# Altium PCB PCB_CAR.PcbDoc (part 2 of 3) (continued)
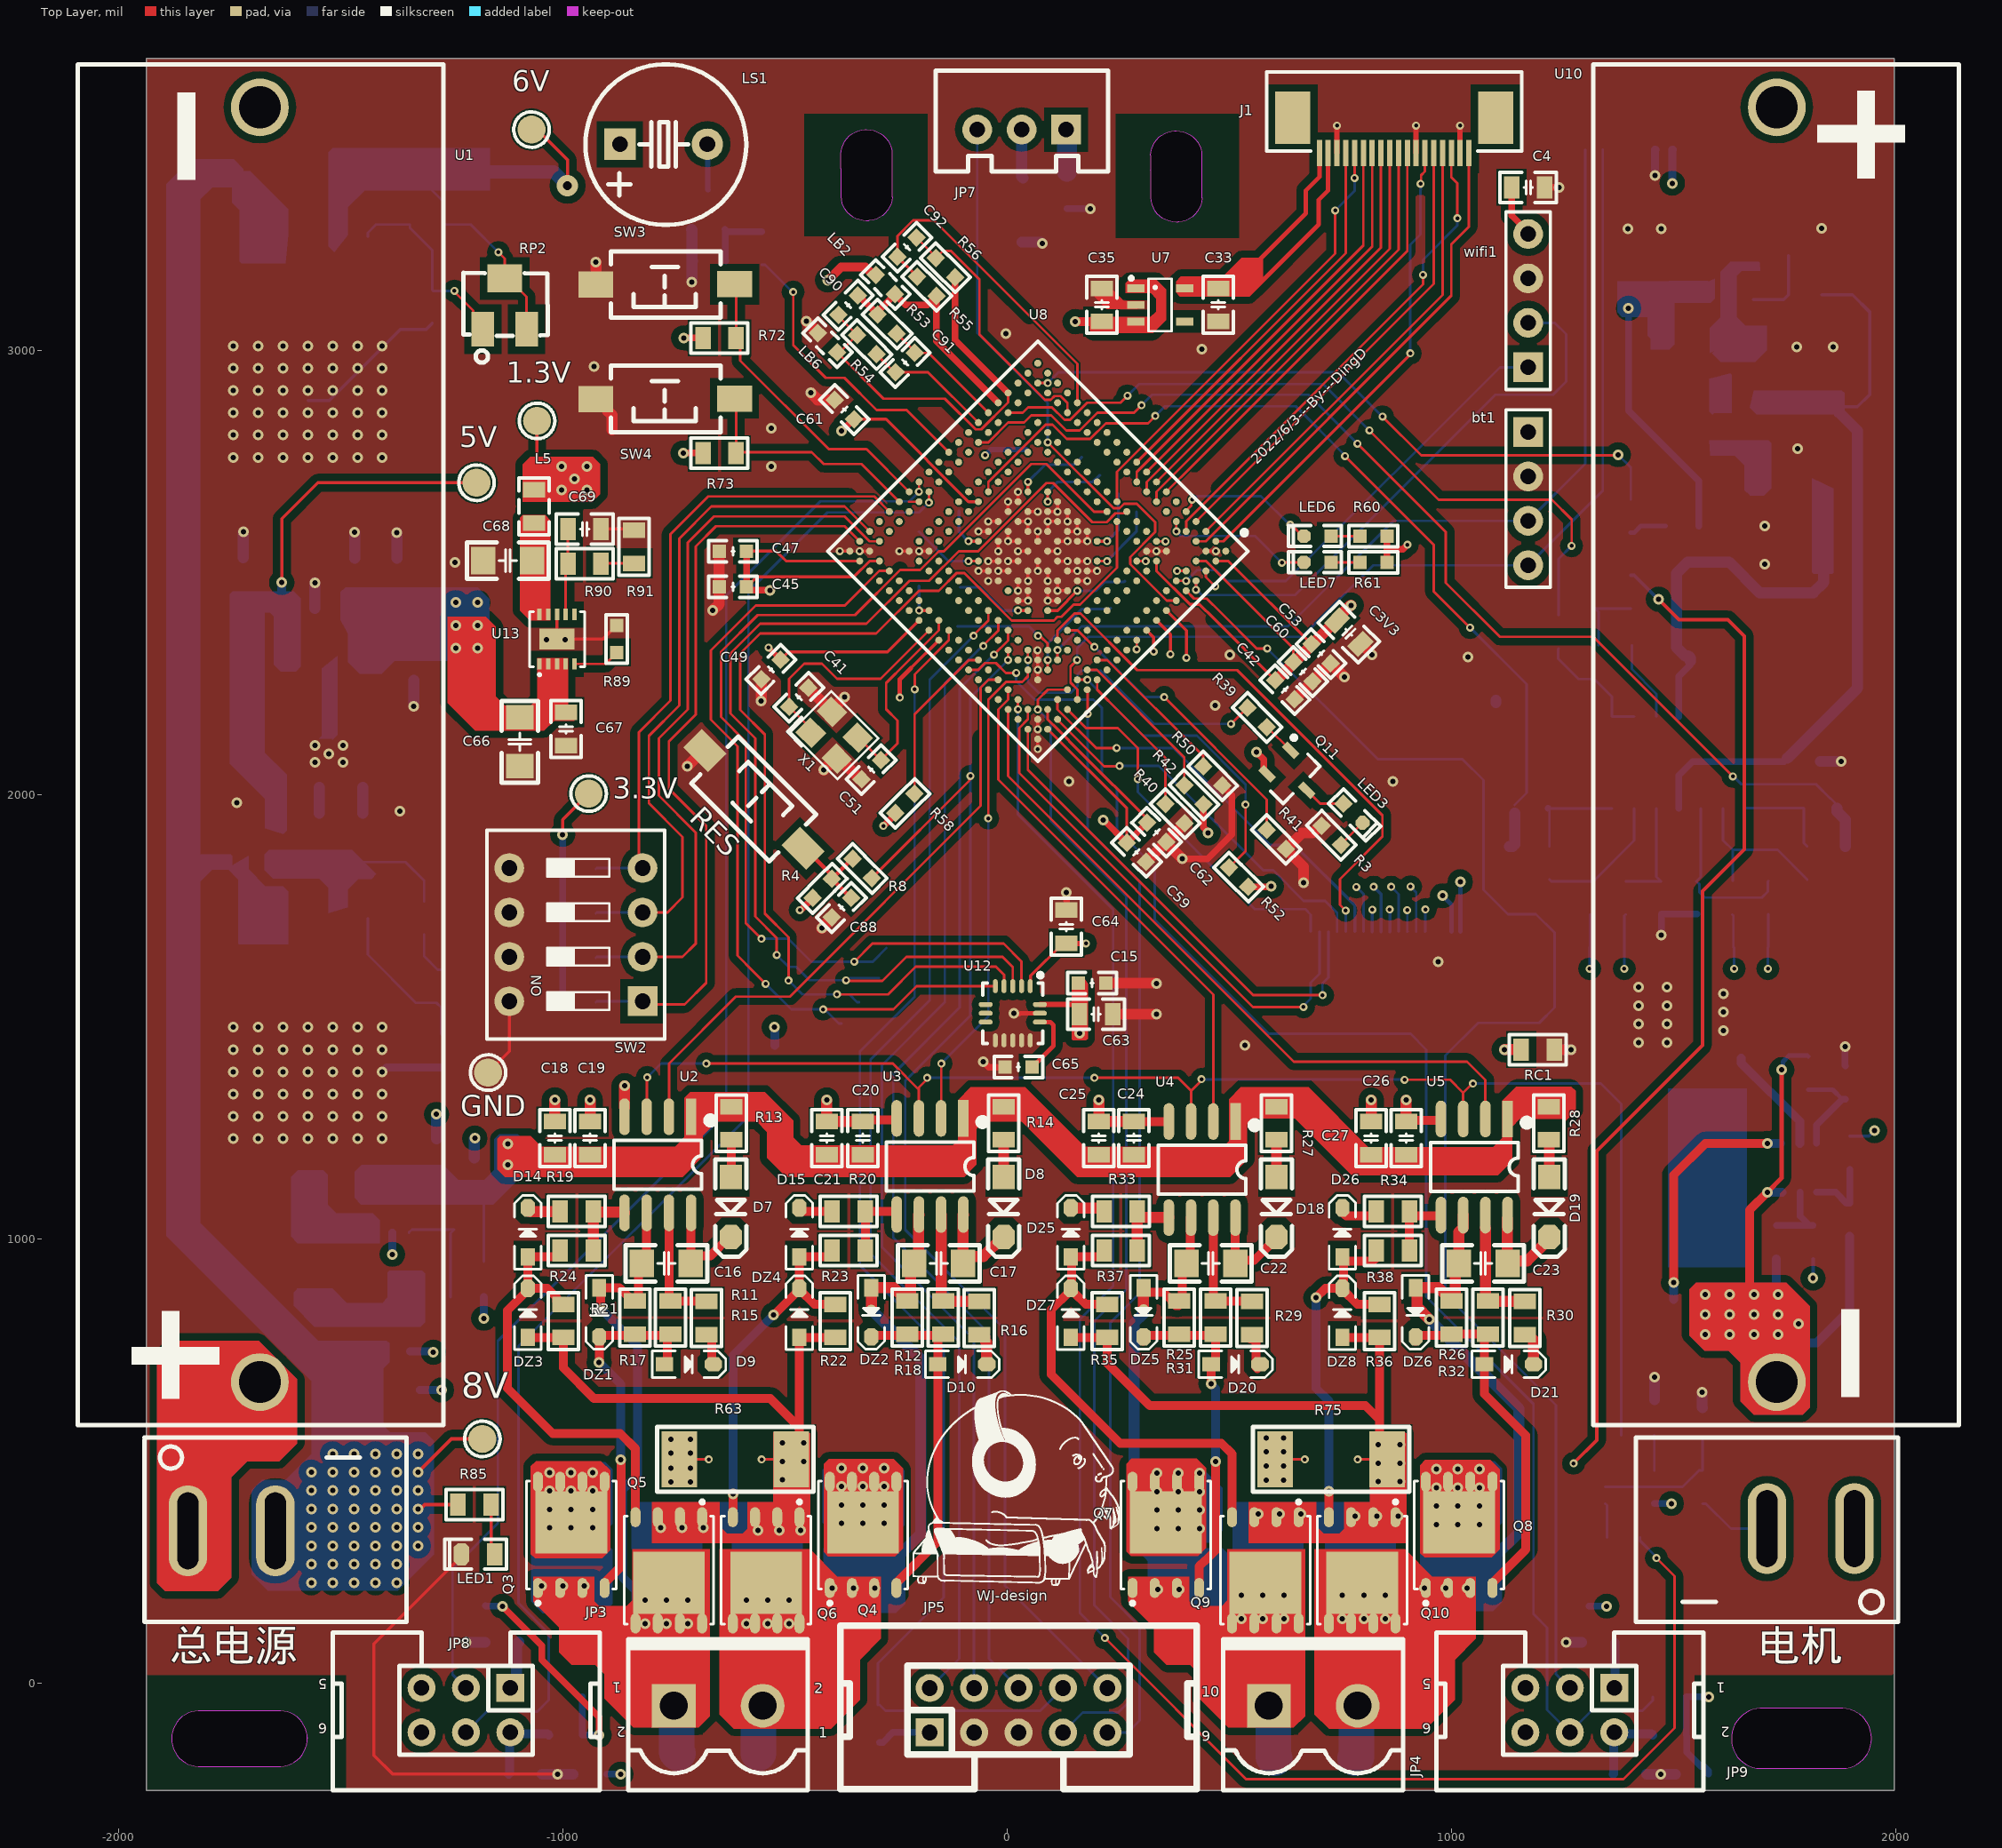
[diagram p0: Top Layer view]
## Nets (pads, with @x,y where several pads share a name; then routed paths per layer and width w, separated by ;. In a path a pad name is that pad's centre, name@x,y a point inside that pad or via, vN(x,y) a via of type N, cw(c..) or ccw(c..) an arc to the next point about the centre after c; other vN are vias at no path point) (continued)
NetC76_2: C76.2 JP8.2 LB3.1 | length 185
  Bottom Layer w20: C76.2@-1122.86,-205.13 -1120.93,-203.2 -1120.93,-112.76 JP8.2@-1119,-110.83 -1116,-113.83 -1035.4,-113.83 LB3.1@-1032.4,-116.82
NetC85_2: C85.2 JP9.2 LB5.1 | length 184.9
  Bottom Layer w20: C85.2@1363.69,-205.13 1364.84,-203.98 1364.84,-111.99 JP9.2@1366,-110.83 1369,-113.83 1450.15,-113.83 LB5.1@1453.14,-116.82
NetC88_2: C88.2 R4.1 R8.1 RES.2 | length 233
  Top Layer w10: RES.2@-465.23,1888.66 -395.18,1818.61 R4.1@-395.18,1811.05 ; C88.2@-352.05,1767.92 R4.1@-395.18,1811.05 ; R8.1@-348.44,1855.97 -350.25,1855.97 R4.1@-395.18,1811.05
NetD7_1: D7.1 R13.2 | length 84.1
  Top Layer w20: D7.1@-622.29,1139.37 -622.08,1139.58 -622.08,1223.05 R13.2@-621.88,1223.26
NetD8_1: D8.1 R14.2 | length 83.9
  Top Layer w24: D8.1@-8.2,1139.37 R14.2@-8.22,1223.23
NetD9_1: D9.1 DZ1.2 Q3.4 R11.2 R17.2 | length 821.7
  Top Layer w20: v1(-919.3,721.89) -919.15,722.03 -919.15,779.73 DZ1.2@-919,779.88 -916.14,782.74 -769.95,782.74 -765.31,778.1 -765.31,723.75 -771.06,718 D9.1@-772.12,718 ; Q3.4@-907,214.25 -907,225.54 -870.12,262.43 -870.12,501.91 v1(-870.85,502.64)
  Bottom Layer w20: v1(-919.3,721.89) -870.85,673.44 v1(-870.85,502.64)
NetD9_2: D9.2 R15.2 | length 76.3
  Top Layer w20: R15.2@-678,784.6 -672.77,784.6 -665.27,777.1 -665.27,721.39 D9.2@-661.88,718
NetD10_1: D10.1 DZ2.2 Q4.4 R12.2 R18.2 | length 772.8
  Top Layer w20: DZ2.2@-306.33,779.88 -303.47,782.74 R12.2@-152.14,782.74 ; Q4.4@-250,214.25 -250,225.54 -156.78,318.76 D10.1@-156.78,718 -156.78,778.1 R12.2@-152.14,782.74 ; R12.2@-144.95,785.6 -149.28,785.6 R12.2@-152.14,782.74
NetD10_2: D10.2 R16.2 | length 78.2
  Top Layer w25: R16.2@-63.9,784.6 -56.4,784.6 -51.4,779.6 -51.4,772.1 -46.55,767.25 D10.2@-46.55,718
NetD14_1: D14.1 DZ3.2 Q5.4 R21.2 R24.2 | length 995.7
  Top Layer w20: R24.2@-1007,974 -1007,967.34 -1014.5,959.84 D14.1@-1079.7,959.84 DZ3.2@-1079.7,889.12 ; R21.2@-1000,852.9 -1007.5,852.9 -1015,860.4 -1015,867.9 -1036.22,889.12 DZ3.2@-1079.7,889.12 ; Q5.4@-837.23,373.68 -837.23,527.73 -871.61,562.11 -1023.81,562.11 -1126,664.3 -1126,838.88 -1079.7,885.18 DZ3.2@-1079.7,889.12
NetD14_2: D14.2 R19.2 | length 78
  Top Layer w25: D14.2@-1079.7,1070.07 -1079.7,1066.69 -1075.01,1062 R19.2@-1007,1062
NetD15_1: D15.1 DZ4.2 Q6.4 R22.2 R23.2 | length 827.3
  Top Layer w20: Q6.4@-618.23,373.68 -618,373.9 -618,425.78 v1(-617.78,426) ; v1(-526.78,828.87) -525.78,828.87 -468.46,886.18 D15.1@-468.46,959.84 -402.17,959.84 -394.67,967.34 R23.2@-394.67,974 ; DZ4.2@-468.46,886.66 -434.7,852.9 R22.2@-387.53,852.9
  Bottom Layer w20: v1(-617.78,426) -617.78,737.86 v1(-526.78,828.87)
NetD15_2: D15.2 R20.2 | length 78.3
  Top Layer w20: D15.2@-468.46,1070.07 -468.46,1068.15 -462.31,1062 R20.2@-394.67,1062
NetD18_1: D18.1 R27.2 | length 84.1
  Top Layer w24: R27.2@605.37,1223.26 605.64,1223 605.64,1139.63 D18.1@605.9,1139.37
NetD19_1: D19.1 R28.2 | length 84.3
  Top Layer w24: R28.2@1219,1223.26 1219.5,1222.76 1219.5,1139.87 D19.1@1220,1139.37
NetD20_1: D20.1 DZ5.2 Q7.4 R25.2 R31.2 | length 764.6
  Top Layer w20: DZ5.2@305.49,769.82 DZ5.2@308.5,772.83 ; DZ5.2@306.33,779.88 309.19,782.74 465.74,782.74 R25.2@468.6,785.6 468.6,724.12 458.55,714.06 v1(458.55,674.26) ; Q7.4@431.66,214.25 431.66,263.4 443.38,275.12 444.61,275.12 468.62,299.13 v1(468.62,499.07)
  Bottom Layer w20: v1(458.55,674.26) 458.55,673.18 468.62,663.11 v1(468.62,499.07)
NetD20_2: D20.2 R29.2 | length 76.3
  Top Layer w20: R29.2@546.64,774.69 551.87,774.69 559.37,767.19 559.37,711.48 D20.2@562.76,708.09
NetD21_1: D21.1 DZ6.2 Q8.4 R26.2 R32.2 | length 814.8
  Top Layer w20: DZ6.2@918.31,769.97 DZ6.2@921.17,772.83 ; DZ6.2@919,779.88 921.86,782.74 997.14,782.74 R32.2@1000,785.6 1081.38,785.6 1073.88,778.1 R26.2@1073.88,774.21 ; R26.2@1072.5,772.83 R26.2@1073.88,774.21 ; Q8.4@1092,214.25 1092,225.54 1167,300.54 1167,558 1073.88,651.12 D21.1@1073.88,718 R26.2@1073.88,774.21
NetD21_2: D21.2 R30.2 | length 79.2
  Top Layer w25: R30.2@1164.31,784.6 1171.81,784.6 1184.12,772.29 D21.2@1184.12,718
NetD25_1: D25.1 DZ7.2 Q9.4 R35.2 R37.2 | length 1073.7
  Top Layer w20: DZ7.2@138.9,881.31 98.64,841.05 98.64,695 253.48,540.16 481.78,540.16 505.5,516.44 Q9.4@505.5,373.68 ; DZ7.2@142.77,885.18 DZ7.2@142.77,889.12 ; D25.1@142.77,959.84 210.17,959.84 217.67,967.34 R37.2@217.67,974 ; D25.1@144.94,949.92 144.94,884.49 150.23,879.2 176.53,852.9 R35.2@224.93,852.9
NetD25_2: D25.2 R33.2 | length 80
  Top Layer w25: D25.2@142.77,1070.07 212.67,1070.07 217.67,1065.07 R33.2@217.67,1062
NetD26_1: D26.1 DZ8.2 Q10.4 R36.2 R38.2 | length 829.4
  Top Layer w20: v1(694.73,867.89) 715.95,889.12 DZ8.2@754,889.12 DZ8.2@754,887.2 ; Q10.4@723.64,373.68 723.85,373.88 723.85,431.57 v1(724.05,431.78) ; DZ8.2@748.25,881.45 DZ8.2@754,887.2 ; DZ8.2@754,886.66 787.77,852.9 R36.2@837.4,852.9 ; R38.2@829.97,964.09 829.97,957.42 822.47,949.92 756.18,949.92 756.18,889.12 755.92,889.12 DZ8.2@754,887.2
  Bottom Layer w20: v1(694.73,867.89) 694.73,664.27 724.05,634.95 v1(724.05,431.78)
NetD26_2: D26.2 R34.2 | length 78.3
  Top Layer w20: D26.2@756.18,1060.16 756.18,1058.24 762.33,1052.09 R34.2@829.97,1052.09
NetD27_1: D27.1 IC1.1 L2.1
NetIC2_1: IC2.1 R74.2 R77.1 | length 220.8
  Bottom Layer w5.7: IC2.1@1661,1969.65 1661.34,1970 R74.2@1792.86,1970 1792.86,1891.66 R77.1@1800.26,1884.26
NetIC2_2: IC2.2 R76.1 R77.2 | length 367.5
  Bottom Layer w5.7: IC2.2@1611,1969.65 1611,1897.8 1632.64,1876.16 R76.1@1632.64,1806.4 ; 1632.62,1876.18 1733.55,1876.18 R77.2@1800.26,1809.46
NetIC2_3: IC2.3 R70.2 R71.1 | length 385.2
  Bottom Layer w5.7: IC2.3@1561,1969.65 1561,1815.43 1551.13,1805.56 1558,1798.69 1558,1780 1569.2,1768.8 1698.28,1768.8 1711.98,1782.51 1711.98,1805.38 R71.1@1713,1806.4
NetIC2_5: IC2.5 R51.2 R57.1 | length 248.2
  Bottom Layer w5.7: R57.1@1391.54,1805.56 1471.33,1805.56 1461,1815.89 IC2.5@1461,1969.65
NetIC2_6: IC2.6 R64.1 R65.2 | length 302.7
  Bottom Layer w5.7: R65.2@1220.27,1809.46 1224.16,1805.56 R64.1@1311.74,1805.56 1319.24,1805.56 1411,1897.32 IC2.6@1411,1969.65
NetIC2_7: IC2.7 R62.2 R65.1 | length 222.7
  Bottom Layer w5.7: R62.2@1217.16,1969.65 IC2.7@1361,1969.65 ; R65.1@1220.27,1884.26 R62.2@1220.27,1962.61
  Bottom Layer w15: R62.2@1216.81,1970 R62.2@1217.16,1969.65
NetIC2_8: IC2.8 IC2.9 R6.2 | length 274.4
  Bottom Layer w5.7: R6.2@1240.97,2329.6 1239.84,2328.47 1239.84,2306.89 1285.73,2261 1320.75,2261 1361,2220.75 IC2.8@1361,2176.34 IC2.9@1411,2176.34
NetIC2_10: IC2.10 R5.1 | length 183.6
  Bottom Layer w5.7: R5.1@1405.51,2337 1405.51,2283.09 1461,2227.6 IC2.10@1461,2176.34
NetIC3_3: IC3.3 R86.2 R87.1 | length 171.8
  Bottom Layer w7: IC3.3@1679.14,3114.98 1747.1,3114.98 R86.2@1758.51,3126.38 R87.1@1758.5,3214.07
NetJP7_1: JP7.1 L6.2 | length 99
  Top Layer w10: JP7.1@132,3498 JP7.1@135.1,3498
  Bottom Layer w10: JP7.1@132,3498 JP7.1@134.28,3495.72
  Bottom Layer w45: L6.2@134.28,3403.01 JP7.1@134.28,3495.72
NetJP8_1: JP8.1 L7.2 | length 110.5
  Bottom Layer w25: JP8.1@-1119,-10.83 -1105.6,2.57 -1105.6,87 L7.2@-1100.6,92
NetJP9_1: JP9.1 L8.2 | length 103.4
  Bottom Layer w20: JP9.1@1366,-10.83 1367.4,-9.43 L8.2@1367.4,92
NetLED1_1: LED1.1 R85.1 | length 116.6
  Top Layer w7: R85.1@-1163.42,402.89 R85.1@-1162.6,402.07 -1162.6,298.26 LED1.1@-1154.4,290.06
NetLED3_1: LED3.1 Q11.3 | length 94.6
  Top Layer w5.7: Q11.3@674.08,2010.44 704.27,1980.26 LED3.1@756.17,1980.26
NetLED3_2: LED3.2 R3.2 | length 69.6
  Top Layer w5.7: R3.2@750.87,1887.47 750.87,1888.44 LED3.2@799.43,1937
NetLED6_1: LED6.1 R60.1 | length 65
  Top Layer w5.7: LED6.1@728.48,2582.68 728.86,2582.3 R60.1@793.3,2582.3
NetLED7_1: LED7.1 R61.1 | length 65
  Top Layer w5.7: LED7.1@728.48,2523.75 728.86,2523.37 R61.1@793.3,2523.37
NetLS1_2: LS1.2 Q12.3 | length 103.4
  Bottom Layer w12: LS1.2@-675.57,3465 -674.79,3464.21 -674.79,3363.08 Q12.3@-674,3362.29
NetQ1_4: Q1.4 U9.1 | length 548.7
  Top Layer w20: v1(1500.04,902) 1500.04,1144.04 1571.25,1215.25 v1(1710.74,1215.25)
  Bottom Layer w20: Q1.4@1500.04,864.25 v1(1500.04,902) ; v1(1710.74,1215.25) U9.1@1739.45,1215.25
NetQ1_5: Q1.5 Q1.6 Q1.7 Q1.8 Q1.9 Q2.5 Q2.6 Q2.7 Q2.8 Q2.9
NetQ2_4: Q2.4 U9.2 | length 247.2
  Bottom Layer w20: Q2.4@1652,1407 1652,1395.71 1717.61,1330.1 1718.87,1330.1 1784.04,1264.94 U9.2@1784.04,1215.25
NetQ11_1: Q11.1 R39.1 | length 75.4
  Top Layer w5.7: R39.1@583.8,2152.63 584.79,2152.63 Q11.1@637.39,2100.03
NetQ12_1: Q12.1 R78.1 R79.1 | length 154.6
  Bottom Layer w15: Q12.1@-636.6,3273 -635.6,3272 Q12.1@-635.6,3268.76 ; R79.1@-634.6,3202 -635.6,3203 Q12.1@-635.6,3268.76 ; R78.1@-553,3268.4 -635.24,3268.4 Q12.1@-635.6,3268.76
NetR1_2: R1.2 R5.2 R7.1 | length 166.2
  Bottom Layer w5.7: R5.2@1330.7,2337 1330.7,2411.98 R7.1@1323.1,2419.59 1393,2419.6 R1.2@1403.51,2419.6
NetR9_2: R9.2 U1.2 U10.1 | length 2557.7
  PWR w6.5: U10.1@1732,3548 1877,3548 1972,3453 1972,1264 v1(1952,1244)
  Bottom Layer w6.5: R9.2@1896,1231.8 1939.8,1231.8 v1(1952,1244)
NetR10_1: R10.1 R80.2 U9.3 | length 215.8
  Bottom Layer w10: R80.2@1803.11,1336.11 1857.75,1336.11 R10.1@1879.21,1314.64
  Bottom Layer w15: U9.3@1821.44,1215.25 1821.44,1256.87 1879.21,1314.64 R10.1@1886.71,1314.64
NetR11_1: R11.1 R15.1 U2.7 | length 280.7
  Top Layer w20: U2.7@-762,1058.73 -761.31,1058.04 -761.31,863.21 R11.1@-758.5,860.4 -758,859.9 -678.5,859.9 R15.1@-678,859.4
NetR12_1: R12.1 R16.1 U3.7 | length 278
  Top Layer w25: U3.7@-149.33,1055.13 -148.64,1054.44 -148.64,864.1 R12.1@-144.95,860.4 -144.45,859.9 -64.4,859.9 R16.1@-63.9,859.4
NetR19_1: R19.1 R24.1 U2.5 | length 160.1
  Top Layer w25: R24.1@-932.2,974 R19.1@-932.2,1062 -930.56,1060.37 -862.69,1060.37 -862,1059.68 U2.5@-862,1058.73
NetR20_1: R20.1 R23.1 U3.5 | length 164.4
  Top Layer w20: R23.1@-319.86,974 R20.1@-319.86,1062 -251.01,1062 -249.33,1060.33 U3.5@-249.33,1055.13
NetR25_1: R25.1 R29.1 U4.7 | length 285.6
  Top Layer w20: U4.7@462.64,1048.82 U4.7@463.33,1048.13 463.33,853.3 469.94,859.9 549.71,859.9 R29.1@550.21,859.4
NetR26_1: R26.1 R30.1 U5.7 | length 250.8
  Top Layer w25: U5.7@1075.88,1024.89 1075.88,864.74 1081.22,859.4 R30.1@1164.31,859.4
NetR33_1: R33.1 R37.1 U4.5 | length 172.8
  Top Layer w25: R37.1@292.44,964.09 292.44,1052.09 294.08,1050.45 R33.1@296.52,1050.45 ; R33.1@292.47,1062 292.47,1054.5 R33.1@296.52,1050.45 ; U4.5@362.64,1048.82 305.65,1048.82 304.97,1049.5 297.47,1049.5 R33.1@296.52,1050.45
NetR34_1: R34.1 R38.1 U5.5 | length 164.4
  Top Layer w20: R38.1@904.78,964.09 904.78,1052.09 973.63,1052.09 975.31,1050.42 U5.5@975.31,1045.21
NetR39_2: R39.2 U8.F16 | length 676.3
  Top Layer w5.7: v2(46.01,2303.72) U8.F16@46.01,2325.99 ; v2(503.44,2159.82) 539.51,2195.89 R39.2@540.53,2195.89
  Bottom Layer w5.7: v2(46.01,2303.72) 46.01,2254.7 70.71,2230 142.36,2230 158.09,2245.74 158.09,2271.22 166.71,2279.83 209.17,2279.83 329.18,2159.82 v2(503.44,2159.82)
NetR45_1: R45.1 U6.1 | length 77.8
  Bottom Layer w5.7: U6.1@1345.97,404.29 1349.6,400.66 R45.1@1349.6,328
NetR46_1: R46.1 U6.4 | length 79.3
  Bottom Layer w5.7: U6.4@1456.21,479.09 1456.21,558.12 R46.1@1456.37,558.29
NetR48_1: R48.1 R59.1 U6.2 | length 300.8
  Bottom Layer w5.7: U6.2@1345.97,441.69 1519.85,441.69 1557.25,479.1 R48.1@1564.75,479.1 R59.1@1564.75,545.6
NetR48_2: R48.2 电机.2 | length 168.6
  Bottom Layer w5.7: R48.2@1564.75,404.29 1572.25,404.29 1628.55,348 电机.2@1710,348
NetR89_1: R89.1 U13.5 | length 105.7
  Top Layer w5.7: U13.5@-974.73,2295.03 -905,2295.03 R89.1@-879.59,2320.44
NetR90_2: R90.2 R91.1 | length 75
  Top Layer w5.7: R90.2@-914.73,2520.13 -913.46,2521.4 R91.1@-840.31,2521.4
NetRP2_1: RP2.1 RSH6.1 RSL1.2 U14.5 | length 443.5
  Top Layer w5.7: v2(-1244.94,3134.71) -1244.94,3132.4 -1202.97,3090.43 -1202.97,3070.5 RP2.1@-1180.88,3048.41
  Bottom Layer w5.7: U14.5@-1440.11,3256.61 -1440.11,3265.84 -1421.95,3284 RSL1.2@-1345.4,3284 -1345.4,3276.5 -1295,3226.1 RSH6.1@-1295,3136.4 -1293.3,3134.71 v2(-1244.94,3134.71)
NetRSH1_2: RSH1.2 RSH5.1 | length 98.9
  Bottom Layer w5.7: RSH1.2@-1313.42,1685.12 -1313.42,1637.49 -1282.5,1606.57 RSH5.1@-1275,1606.57
NetRSH2_1: RSH2.1 RSH5.2 U11.5 | length 357
  Bottom Layer w5.7: U11.5@-1440.11,1722.52 -1440.11,1640.11 -1331.77,1531.77 -1285.3,1531.77 -1275,1521.47 RSH2.1@-1275,1461.12
P00_0: J1.8 U8.G1 | length 987.9
  Top Layer w5.7: U8.G1@357.81,2682.32 420.56,2745.07 900.29,3224.81 J1.8@900.29,3445.47
P00_1: J1.9 U8.G2 | length 1011.1
  Top Layer w5.7: U8.G2@335.54,2660.05 335.54,2682.32 880.49,3227.28 J1.9@880.49,3445.47
P00_2: J1.10 U8.H1 | length 958.4
  Top Layer w5.7: U8.H1@335.54,2704.59 398.28,2767.34 860.69,3229.75 J1.10@860.69,3445.47
P00_3: J1.11 U8.H2 | length 981.7
  Top Layer w5.7: U8.H2@313.26,2682.32 313.26,2704.59 840.89,3232.22 J1.11@840.89,3445.47
P00_4: J1.12 U8.J1 | length 929
  Top Layer w5.7: U8.J1@313.26,2726.87 376.01,2789.61 821.09,3234.7 J1.12@821.09,3445.47
P00_5: J1.13 U8.J2 | length 952.2
  Top Layer w5.7: U8.J2@290.99,2704.59 290.99,2726.87 801.29,3237.17 J1.13@801.29,3445.47
P00_6: J1.14 U8.J4 | length 1007
  Top Layer w5.7: U8.J4@246.45,2660.05 246.45,2727.39 737.69,3218.63 v2(737.69,3315.66) ; v2(781.31,3388.98) 781.4,3389.07 781.4,3445.38 J1.14@781.49,3445.47
  Bottom Layer w5.7: v2(737.69,3315.66) 781.31,3359.28 v2(781.31,3388.98)
P00_7: J1.15 U8.K1 | length 891.3
  Top Layer w5.7: U8.K1@290.99,2749.14 761.69,3219.84 J1.15@761.69,3445.47
P00_8: U8.K4
P00_9: U8.K2
P00_10: U8.K5
P00_11: U8.L1
P00_12: U8.L2
P02_0: J1.6 U8.B1 | length 1079
  Top Layer w5.7: U8.B1@469.16,2570.97 485.97,2570.97 v2@908.06,2993.06 ; v2(929.95,3375.77) 931.31,3377.13 931.31,3395.27 939.89,3403.86 J1.6@939.89,3445.47
  Bottom Layer w5.7: v2(907,2994.12) 907,3238.42 929.95,3261.37 929.95,3362.97 ; v2(929.95,3375.77) 930.72,3375 930.72,3362.97
P02_1: J1.1 U8.C2 | length 1141.7
  Top Layer w5.7: U8.C2@424.62,2570.97 446.36,2570.97 999.29,3123.9 999.29,3239.4 1038.89,3279 J1.1@1038.89,3445.47
P02_2: J1.4 U8.C1 | length 1072.8
  Top Layer w5.7: U8.C1@446.89,2593.24 979.49,3125.84 J1.4@979.49,3445.47
P02_3: J1.3 U8.D2 | length 1110.8
  Top Layer w5.7: U8.D2@402.35,2593.24 402.35,2616.04 475.97,2689.66 935.57,3149.26 v2(935.57,3170.63) ; J1.3@999.29,3445.47 999.29,3390.71 1012.94,3377.06 v2(1012.94,3298.57)
  Bottom Layer w5.7: v2(935.57,3170.63) 935.57,3204.72 1012.94,3282.08 v2(1012.94,3298.57)
P02_5: LED7.2 U8.E2 | length 339.3
  Top Layer w5.7: v2(380.08,2593.24) U8.E2@380.08,2615.51 ; v2(617.85,2522.54) 618.46,2523.15 666.69,2523.15 LED7.2@667.3,2523.75
  Bottom Layer w5.7: v2(380.08,2593.24) 390.43,2582.89 557.51,2582.89 v2(617.85,2522.54)
P02_6: LED6.2 U8.E1 | length 324.4
  Top Layer w5.7: U8.E1@402.35,2637.78 402.35,2640.15 413.96,2651.76 413.96,2662.46 v2(416.07,2664.57) ; v2(636.69,2608.38) 639.15,2608.38 664.84,2582.68 LED6.2@667.3,2582.68
  Bottom Layer w5.7: v2(416.07,2664.57) 417.4,2664.57 425.56,2672.72 492.91,2672.72 570.88,2672.72 635.22,2608.38 v2(636.69,2608.38)
P02_9: J_UI.7 U8.E4 | length 1124.9
  Top Layer w5.7: U8.E4@335.54,2570.97 v2@355.84,2570.97
  PWR w5.7: v2(355.89,2570.92) 355.89,2477.11 438.19,2394.81 450.61,2382.38 462.49,2370.51 462.49,2305.9 886,1882.39 886,1788.08 900.08,1774 v2(900.08,1740.58)
  Bottom Layer w5.7: v2(900.08,1740.58) 900.29,1740.38 900.29,1692.14 J_UI.7@900.5,1691.93
P10_0: J_UI.9 U8.A7 | length 980.9
  Top Layer w7: U8.A7@357.81,2415.07 402.81,2370.07 v2(402.81,2308.79)
  PWR w7: v2(402.81,2308.79) 402.81,2270.06 429.69,2243.19 429.69,2179.85 535.95,2073.58 620.26,2073.58 844.1,1849.75 844.1,1758.44 v2(860.6,1741.95)
  Bottom Layer w7: v2(860.6,1741.95) 860.75,1741.8 860.75,1692.08 J_UI.9@860.9,1691.93
P10_5: U8.B5 wifi1.1 | length 1012
  Top Layer w5.7: U8.B5@380.08,2481.88 v2(402.35,2481.88)
  Bottom Layer w5.7: v2(402.35,2481.88) 426.46,2506 469.16,2506 494.05,2481.12 549.35,2481.12 626.87,2481.12 1108.59,2962.84 wifi1.1@1172.24,2962.84
P10_6: U8.A4 wifi1.2 | length 1260.1
  Top Layer w5.7: v2@424.62,2461.58 U8.A4@424.62,2481.88
  Bottom Layer w5.7: v2(424.57,2461.53) 426.04,2461.53 437.72,2449.85 647.81,2449.85 1098.96,2901 1228.22,2901 1257.52,2930.3 1257.52,3037.48 1232.16,3062.84 wifi1.2@1172.24,3062.84
P10_7: J_UI.5 U8.A3 | length 1017.1
  Top Layer w5.7: U8.A3@446.89,2504.15 446.89,2490.3 v2(467.74,2469.45)
  PWR w5.7: v2(467.74,2469.45) 562.02,2375.18 562.02,2280.22 940.75,1901.49 v2(940.75,1742.27)
  Bottom Layer w5.7: J_UI.5@940.1,1691.93 940.43,1692.26 940.43,1741.94 v2(940.75,1742.27)
P10_8: J_UI.6 U8.B4 | length 1076.1
  Top Layer w5.7: v2@382.04,2504.15 U8.B4@402.35,2504.15
  PWR w5.7: v2(382,2504.2) 417,2504.2 446.26,2474.94 446.26,2448.59 534.74,2360.12 534.74,2272.35 907.25,1899.84 v2(907.25,1793.49)
  Bottom Layer w5.7: v2(907.25,1793.49) 920.3,1780.44 J_UI.6@920.3,1691.93
P11_2: J_UI.12 U8.A10 | length 945.9
  Top Layer w5.7: v2(290.92,2327.88) U8.A10@290.97,2348.23
  PWR w5.7: v2(290.92,2327.88) 290.92,2154.08 496.37,1948.63 629.46,1948.63 v2(785.44,1792.65)
  Bottom Layer w5.7: v2(785.44,1792.65) 785.71,1792.65 801.5,1776.86 J_UI.12@801.5,1691.93
P11_9: J_UI.11 U8.A9 | length 959.4
  Top Layer w7: U8.A9@313.26,2370.53 329.28,2354.52 v2(329.28,2322.65)
  PWR w7: v2(329.28,2322.65) 329.28,2261.04 329.28,2166.03 484.22,2011.08 603.86,2011.08 804.94,1810 804.94,1794.17 805.1,1794.01 805.1,1757.71 v2(821.3,1741.51)
  Bottom Layer w7: v2@821.09,1741.72 v2(821.3,1741.51) J_UI.11@821.3,1691.93
P11_10: U8.B9
P11_11: J_UI.10 U8.A8 | length 969.3
  Top Layer w7: U8.A8@335.54,2392.8 367.02,2361.31 v2(367.02,2316.55)
  PWR w7: v2(367.02,2316.55) 367.02,2259.99 382,2245.02 382,2171.07 508.2,2044.86 609,2044.86 822.5,1831.37 822.5,1794.9 v2(824.6,1792.79)
  Bottom Layer w7: v2(824.6,1792.79) 841.1,1776.3 J_UI.10@841.1,1691.93
P11_12: U8.B8
P11_13: J_UI.8 U8.E6 | length 1090.7
  Top Layer w5.7: U8.E6@290.99,2526.43 v2@311.3,2526.43
  PWR w5.7: v2(311.35,2526.38) 311.35,2485.62 438.19,2358.77 438.19,2291.41 863.9,1865.7 v2(863.9,1792.79)
  Bottom Layer w5.7: v2(863.9,1792.79) 864.1,1792.79 880.7,1776.2 J_UI.8@880.7,1691.93
P12_0: U8.E12
P12_1: U8.E11
P13_0: U8.B12
P13_1: U8.A12
P13_2: U8.B11
P13_3: U8.A11
P14_0: JP5.7 U8.B16 | length 2651.6
  Top Layer w5.7: v2(68.28,2192.36) 68.28,2214.1 91.09,2236.9 112.82,2236.9 U8.B16@135.1,2236.9
  Bottom Layer w5.7: v2(68.28,2192.36) 97.28,2163.36 97.28,1941.37 267.24,1771.41 267.24,886.32 195.84,814.91 195.84,175.41 271.23,100.02 271.23,-44.17 249.02,-66.37 169.63,-66.37 JP5.7@125,-111
P14_1: JP5.9 U8.A15 | length 2509.1
  Top Layer w5.7: U8.A15@179.64,2236.9 180.2,2236.34 180.2,2182.93 v2(180.76,2182.36)
  Bottom Layer w5.7: v2(180.76,2182.36) 180.76,1921.7 297.82,1804.65 297.82,878.13 231.25,811.56 231.25,194.11 297.82,127.55 297.82,-84.18 271,-111 JP5.9@225,-111
P14_2: R41.1 U8.E13 | length 674.8
  Top Layer w5.7: U8.E13@135.1,2370.53 157.9,2370.53 195.15,2333.28 v2(195.94,2333.28) ; v2(353.05,2220.22) 583.67,1989.6 R41.1@583.67,1921.2
  Bottom Layer w5.7: v2(195.94,2333.28) 308.99,2220.22 v2(353.05,2220.22)
P14_3: R42.1 U8.B14 | length 362.9
  Top Layer w5.7: U8.B14@179.64,2281.44 201.38,2281.44 398.21,2084.62 R42.1@398.21,2021.81
P14_4: R52.1 U8.B15 | length 678.9
  Top Layer w5.7: U8.B15@157.37,2259.17 v2(179.64,2259.17) ; R52.1@498.82,1836.35 536,1873.53 v2(536,1977.99)
  Bottom Layer w5.7: v2(179.64,2259.17) 305.7,2133.11 426.56,2133.11 536,2023.67 v2(536,1977.99)
P14_5: R40.1 U8.A14 | length 343.5
  Top Layer w5.7: U8.A14@201.91,2259.17 201.91,2236.9 253.52,2185.29 355.78,2083.03 R40.1@355.78,1979.38
P14_6: R50.1 U8.B13 | length 351.7
  Top Layer w5.7: U8.B13@201.91,2303.71 224.71,2303.71 440.63,2087.79 R50.1@440.63,2064.23
P14_7: U8.D13
P14_8: U8.A13
P14_9: U8.D12
P14_10: U8.D11
P15_0: J_UI.16 U8.B20 | length 1113.5
  Top Layer w5.7: U8.B20@46.01,2147.82 46.01,2125.55 46.01,2056 553.04,1548.97 v2(709.27,1548.97)
  Bottom Layer w5.7: v2(709.27,1548.97) 709.27,1575.08 722.3,1588.11 J_UI.16@722.3,1691.93
P15_1: J_UI.15 U8.A18 | length 853.2
  Top Layer w5.7: U8.A18@112.82,2170.09 112.82,2169.03 217.27,2064.58 251.76,2064.58 v2(252.31,2065.13)
  Bottom Layer w5.7: v2(252.31,2065.13) 340.87,2065.13 576,1830 598.31,1830 666.97,1761.34 715.05,1761.34 742.1,1734.29 J_UI.15@742.1,1691.93
P15_2: J_UI.17 U8.C19 | length 1194
  Top Layer w5.7: U8.C19@46.01,2192.36 46.01,2170.09 26.37,2150.45 26.37,2049.03 552.84,1522.56 v2(666.54,1522.56)
  Bottom Layer w5.7: v2(666.54,1522.56) 666.54,1525.38 682.7,1541.54 682.7,1577.29 702.5,1597.09 J_UI.17@702.5,1691.93
P15_3: J_UI.13 U8.B17 | length 933
  Top Layer w5.7: U8.B17@112.82,2214.63 112.82,2192.63 199.99,2105.47 v2(245.88,2105.47)
  Bottom Layer w5.7: v2(245.88,2105.47) 373.44,2105.48 591.92,1887
  Bottom Layer w7: 591.92,1887 646.46,1887 782.19,1751.27 J_UI.13@782.19,1692.42
P15_5: J_UI.14 U8.E14 | length 1264.3
  Top Layer w5.7: U8.E14@112.82,2348.26 112.82,2370 151,2408.17 164.79,2408.17 292.05,2280.91 355.78,2280.91 517.12,2280.92 844.27,1953.76 844.27,1906.12 748.47,1810.31 748.47,1752.54 v2(761.51,1739.5)
  Bottom Layer w5.7: v2(761.51,1739.5) 761.7,1739.31 761.7,1692.13 J_UI.14@761.9,1691.93
P15_6: bt1.4 CN1.2 U8.A16 | length 2226.6
  Top Layer w5.7: v2(156.97,2303.72) 141.99,2288.74 141.99,2252.8 157.23,2237.56 U8.A16@157.23,2214.76 ; U8.A16@157.37,2214.63 U8.A16@157.63,2214.37
  Bottom Layer w5.7: v2(156.97,2303.72) 156.97,2330.3 182.67,2356 663,2356 824,2517 bt1.4@1172.24,2517 1340.2,2684.96 CN1.2@1340.2,3452.97
P15_7: bt1.3 CN1.1 U8.D15 | length 2091.5
  Top Layer w5.7: U8.D15@112.82,2303.71 v2(112.82,2325.99)
  Bottom Layer w5.7: v2(112.82,2325.99) 166.46,2379.62 447.86,2379.62 631.7,2379.62 869.08,2617 bt1.3@1172.24,2617 1300.83,2745.59 CN1.1@1300.83,3452.97
P20_2: R58.1 U8.H19 | length 373.7
  Top Layer w5.7: R58.1@-209.1,2002.34 -209.1,2181.7 -87.09,2303.71 U8.H19@-65.34,2303.71
P20_12: R45.2 U8.D19 | length 4177.4
  Top Layer w5.7: U8.D19@23.74,2212.93 23.78,2212.89 23.78,2192.71 v2(23.83,2192.67) ; v2(219.27,101.7) 537,-216 1387,-216 1502,-101 1502,240.89 v2(1461.11,281.78)
  Bottom Layer w5.7: v2(23.83,2192.67) 23.83,1955.89 238,1741.72 238,893.98 163.13,819.11 163.13,157.84 v2(219.27,101.7) ; R45.2@1424.4,328 1424.4,320.5 1461.11,283.79 v2(1461.11,281.78)
P21_6: U8.H17
P21_7: JP5.6 U8.H16 | length 2606
  Top Layer w5.7: v2(-30.45,2315.63) -30.45,2315.81 1.47,2347.73 U8.H16@1.47,2370.53
  Bottom Layer w5.7: v2(-30.45,2315.63) -31.15,2315.63 -107.41,2239.37 -107.41,2175.75 -107.41,1521.59 -257.19,1371.81 -257.19,1002.79 -41.26,786.86 -41.26,55.26 JP5.6@25,-11
P23_0: U8.V20
P32_2: R68.2 SW2.3 U8.Y18 | length 1559.1
  Top Layer w5.7: SW2.3@-821.42,1735.37 -765.31,1735.37 -731.42,1769.26 -731.42,1905.45 -807.12,1981.15 -807.12,2132.86 -738.91,2201.07 -738.91,2577.07 -666.64,2649.33 -379.73,2649.33 -366.42,2649.33 U8.Y18@-310.33,2593.24
  Bottom Layer w5.7: R68.2@-926.4,1733.26 -924.29,1735.37 SW2.3@-821.42,1735.37
P32_3: R66.2 SW2.1 U8.Y19 | length 1717
  Top Layer w5.7: SW2.1@-821.42,1535.37 -814.04,1528 -726.87,1528 -678,1576.87 -678,1929.67 -762.16,2013.83 -762.16,2120.34 -701.5,2181.01 -701.5,2559.5 -656,2605 -366.63,2605 U8.Y19@-332.6,2570.97
  Bottom Layer w5.7: R66.2@-926.4,1533.26 -924.29,1535.37 SW2.1@-821.42,1535.37
P32_4: R67.2 SW2.2 U8.W18 | length 1681.3
  Top Layer w5.7: SW2.2@-821.42,1635.37 -731.42,1635.37 -702,1664.79 -702,1915.6 -784.93,1998.53 -784.93,2127.19 -719.84,2192.27 -719.84,2567.82 -660.67,2627 -402.06,2627 -366.89,2627 -310.85,2570.97 U8.W18@-288.05,2570.97
  Bottom Layer w5.7: R67.2@-926.4,1633.26 -924.29,1635.37 SW2.2@-821.42,1635.37
P33_1: R78.2 U8.Y10 | length 666.2
  Top Layer w5.7: v2(-482.22,3132.53) -482.22,3012.22 -409,2939 -367,2939 -294.42,2866.42 -227.17,2866.42 U8.Y10@-132.16,2771.41
  Bottom Layer w5.7: R78.2@-553,3193.6 -545.5,3193.6 -484.43,3132.53 v2(-482.22,3132.53)
P33_8: U8.W14 | length 22.3
  Top Layer w5.7: -221.24,2660.05 U8.W14@-198.97,2660.05
P33_9: R72.2 SW3.1 U8.Y14 | length 680.1
  Top Layer w5.7: SW3.1@-614.27,3149.84 -610.78,3146.35 R72.2@-610.78,3028.92 -601.38,3019.53 -601.38,2977.45 -402.24,2778.3 -317.22,2778.3 U8.Y14@-221.24,2682.32
P33_11: R73.2 SW4.1 U8.Y15 | length 538.9
  Top Layer w5.7: SW4.1@-614.27,2892.04 -610.78,2888.55 -610.78,2771.81 R73.2@-610.78,2769.25 -608.22,2771.81 -440.3,2771.81 -413.55,2745.07 -328.53,2745.07 U8.Y15@-243.51,2660.05
P33_13: R69.2 SW2.4 U8.Y16 | length 1432.5
  Top Layer w5.7: SW2.4@-821.42,1835.37 -829.9,1843.85 -829.9,2140.85 -758.54,2212.2 -758.54,2586.89 -673.61,2671.82 -357.24,2671.82 -299.83,2671.82 U8.Y16@-265.78,2637.78
  Bottom Layer w5.7: R69.2@-926.4,1833.26 -924.29,1835.37 SW2.4@-821.42,1835.37